# Altium PCB DDS_AD9854.PcbDoc
Units mil, origin at the board's own origin, x right, y up, seen from the top; angles counter-clockwise.
Board outline 2756 x 2362.28 mil, 2 copper layers (Top Layer, Bottom Layer); 108 components, 60 nets, 352 pads, 63 vias.
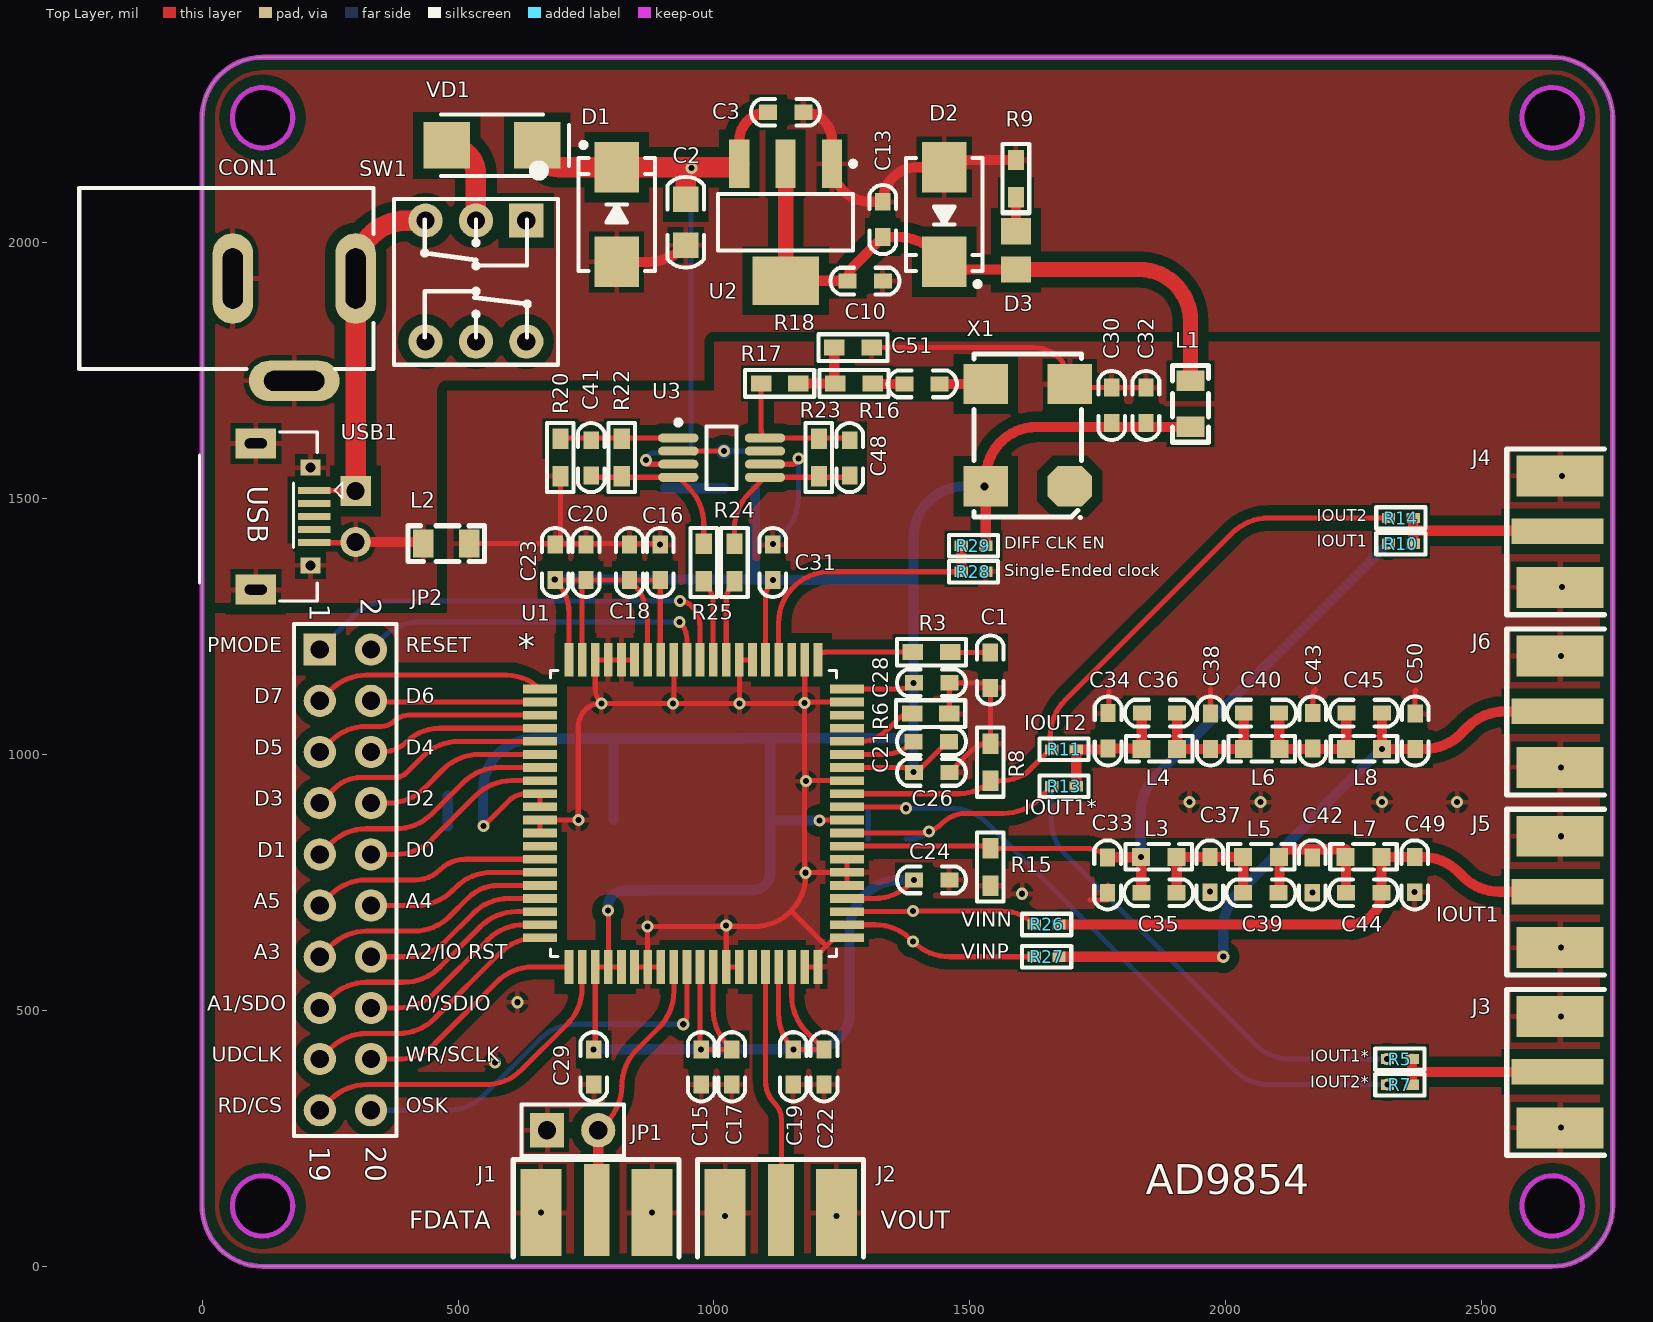
[diagram p0: Top Layer view]
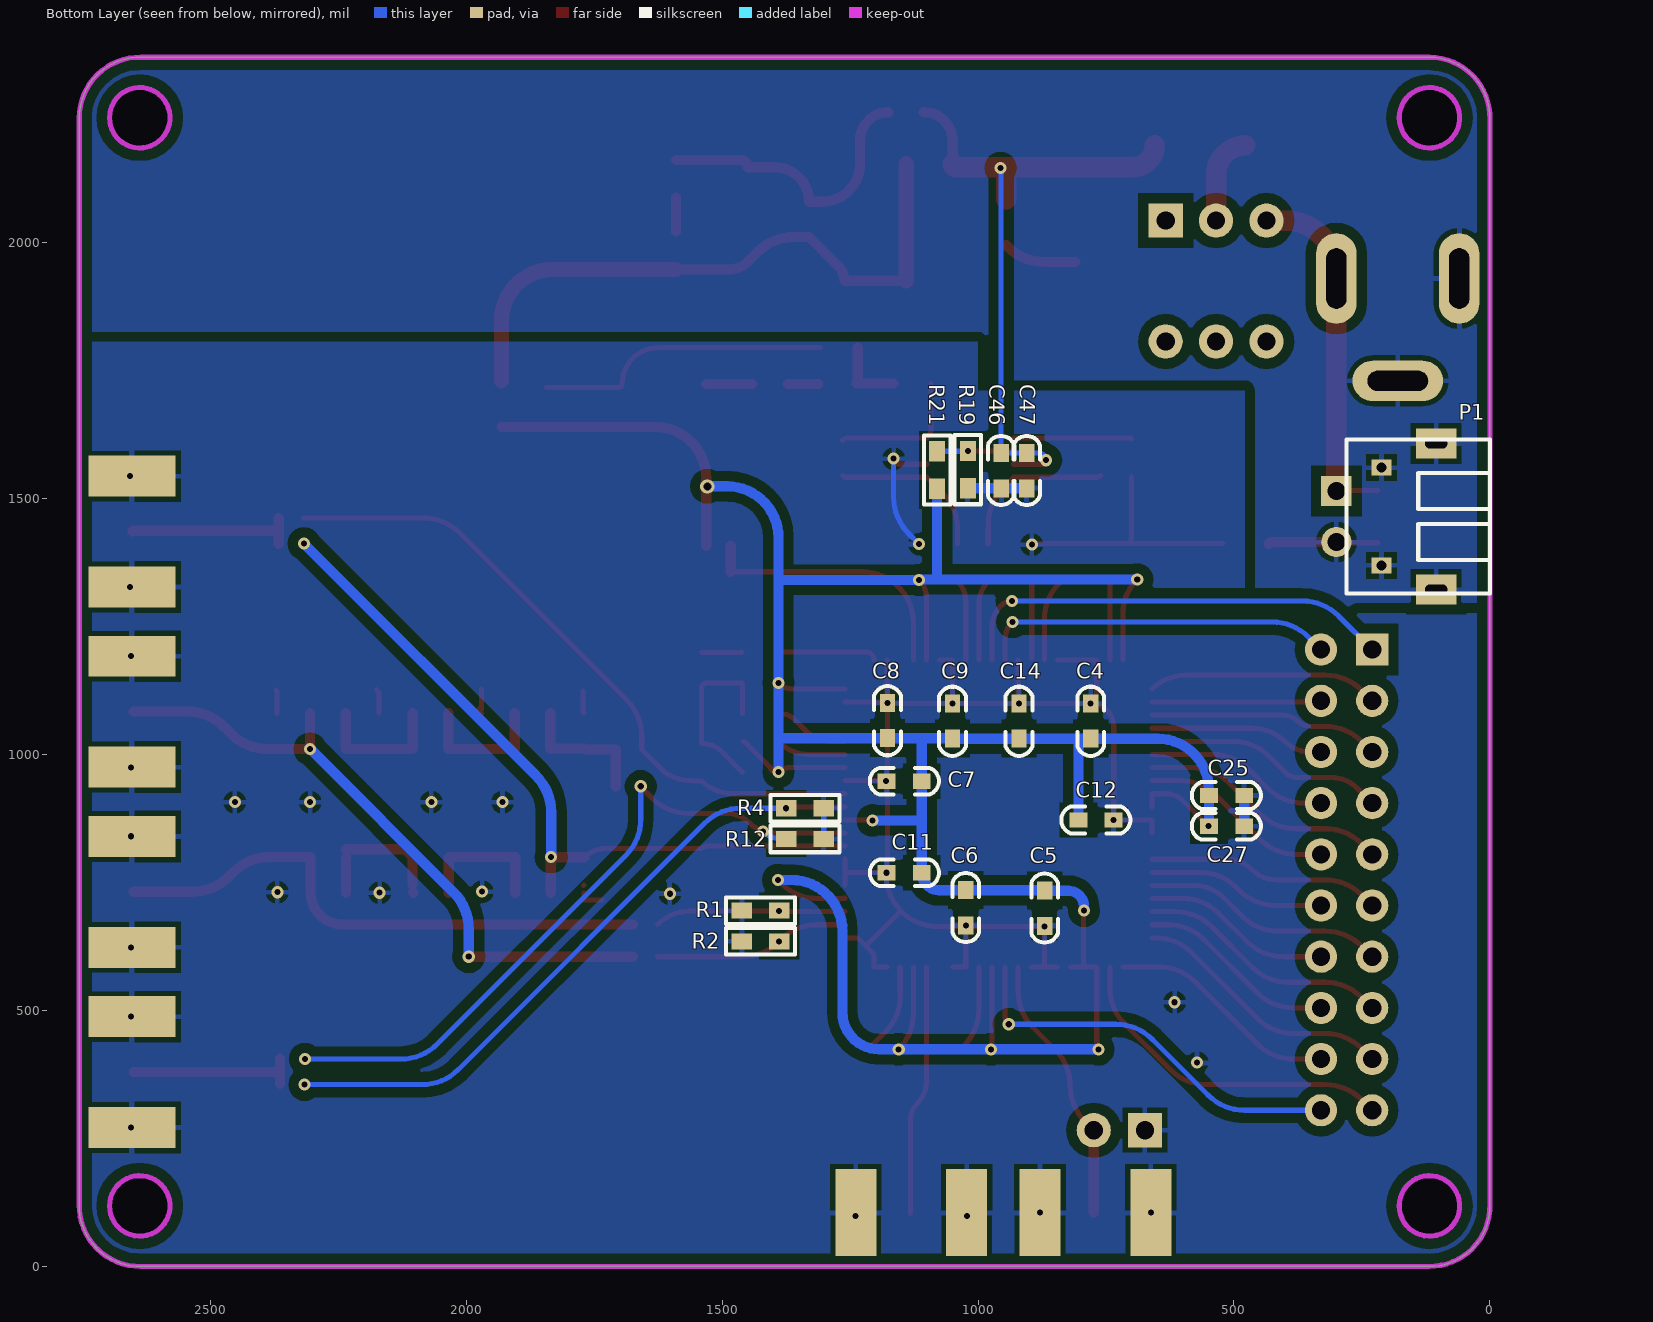
[diagram p1: Bottom Layer view, seen from below]

## Layer stack, top to bottom
Top Solder: solder mask 0.4, Solder Resist, Dk 3.5
Top Layer: signal copper 1.4
Dielectric 1: dielectric 12.6, FR-4, Dk 4.8
Bottom Layer: signal copper 1.4
Bottom Solder: solder mask 0.4, Solder Resist, Dk 3.5

## Board outline
0,121 0,2241 0.04,2241 cw(c118.11,2244.09) 118,2362.21 118,2362.2 2634.99,2362.2 2634.99,2362.27 cw(c2637.8,2244.09) 2756,2244.09 2755.91,2244.09 2755.91,120 2755.9,120 cw(c2637.8,118.11) 2636,0.01 2636,0 119,0 119,-0.02 cw(c118.11,118.11)
cut-out: 2578.74,118.11 ccw(c2637.8,118.11) 2637.8,59.06 ccw(c2637.8,118.11) 2696.85,118.11 ccw(c2637.8,118.11) 2637.8,177.17 ccw(c2637.8,118.11)
cut-out: 118.11,59.06 cw(c118.11,118.11) 59.06,118.11 cw(c118.11,118.11) 118.11,177.17 cw(c118.11,118.11) 177.17,118.11 cw(c118.11,118.11)
cut-out: 118.11,2185.04 cw(c118.11,2244.09) 59.06,2244.09 cw(c118.11,2244.09) 118.11,2303.15 cw(c118.11,2244.09) 177.17,2244.09 cw(c118.11,2244.09)
cut-out: 2578.74,2244.09 ccw(c2637.8,2244.09) 2637.8,2185.04 ccw(c2637.8,2244.09) 2696.85,2244.09 ccw(c2637.8,2244.09) 2637.8,2303.15 ccw(c2637.8,2244.09)

## Design rules (kind name [scope] priority, off if disabled: settings)
Clearance [All] p1: gap=6 ignorepadtopadclearanceinfootprint=FALSE except(0: Arc-Hole Track-Hole SMDPad-Hole THPad-Hole Via-Hole Fill-Hole Poly-Hole Region-Hole Text-Hole; 20: Arc-Poly Track-Poly SMDPad-Poly THPad-Poly Via-Poly Fill-Poly Poly-Poly)
ComponentClearance [All] p1: gap=0 collisioncheckmode=3 verticalgap=0 showdistances=FALSE
HoleSize [All] p1: absolutevalues=TRUE maxlimit=118.11 minlimit=1 maxpercent=80.000 minpercent=20.000
HoleToHoleClearance [All] p1: gap=0 allowstackedmicrovias=TRUE
MinimumSolderMaskSliver [All] p1: minsoldermaskwidth=0
PlaneConnect [All] p1: planeconnectstyle=Relief reliefexpansion=20 reliefentries=4 reliefconductorwidth=20 reliefairgap=10
PolygonConnect [All] p1: connectstyle=Relief reliefconductorwidth=10 reliefentries=4 polygonreliefangle="90 Angle" airgapwidth=10
RoutingVias [All] p1: holewidth=11.81 width=23.62 viastyle="Through Hole" minholewidth=11.81 minwidth=23.62 maxholewidth=28 maxwidth=50
SilkToSilkClearance [All] p1: silktosilkclearance=0
SilkToSolderMaskClearance [IsPad] p1: minsilkscreentomaskgap=0 clearancetoexposedcopper=TRUE
SolderMaskExpansion [All] p1: expansion=4
Width [All] p1: maxlimit=100 minlimit=1 preferedwidth=10
23 further rules are at their usual default settings.

## Components (designator, comment, footprint, x,y, rotation, side; value= is the part's Value field where it differs from the comment)
C1 "103" "C 0603" 1540,1165 r90 top
C2 "10uF" "C 0805" 945,2040 r90 top
C3 "104" "C 0603" 1140,2255 r180 top
C4 "10uF" "C 0603" 780,1065 r270 bottom
C5 "104" "C 0603" 870,700 r90 bottom
C6 "104" "C 0603" 1024,701 r90 bottom
C7 "104" "C 0603" 1144,948 r180 bottom
C8 "104" "C 0603" 1177,1066 r270 bottom
C9 "104" "C 0603" 1050,1065 r270 bottom
C10 "10uF" "C 0603" 1295,1925 r180 top
C11 "104" "C 0603" 1144,769 r180 bottom
C12 "104" "C 0603" 770,872 r0 bottom
C13 "104" "C 0603" 1330,2045 r270 top
C14 "104" "C 0603" 920,1065 r270 bottom
C15 "10uF" "C 0603" 975,390 r90 top
C16 "10uF" "C 0603" 895,1375 r270 top
C17 "104" "C 0603" 1035,390 r90 top
C18 "104" "C 0603" 835,1375 r270 top
C19 "104" "C 0603" 1155,390 r90 top
C20 "104" "C 0603" 750,1375 r270 top
C21 "103" "C 0603" 1425,1025 r0 top
C22 "104" "C 0603" 1215,390 r90 top
C23 "104" "C 0603" 690,1375 r270 top
C24 "104" "C 0603" 1425,755 r180 top
C25 "104" "C 0603" 515,920 r0 bottom
C26 "104" "C 0603" 1425,965 r180 top
C27 "104" "C 0603" 515,860 r0 bottom
C28 "104" "C 0603" 1425,1140 r180 top
C29 "104" "C 0603" 765,390 r90 top
C30 "104" "C 0603" 1777,1682 r270 top
C31 "104" "C 0603" 1115,1375 r270 top
C32 "1uF" "C 0603" 1844,1682 r270 top
C33 "27pF" "C 0603" 1769,764.96 r90 top
C34 "27pF" "C 0603" 1770,1046 r270 top
C35 "2.2pF" "C 0603" 1869,730 r180 top
C36 "2.2pF" "C 0603" 1870,1081 r180 top
C37 "47pF" "C 0603" 1969,765 r270 top
C38 "47pF" "C 0603" 1970,1046 r90 top
C39 "12pF" "C 0603" 2069,730 r0 top
C40 "12pF" "C 0603" 2070,1081 r0 top
C41 "8.2pF" "C 0603" 760,1580 r90 top
C42 "39pF" "C 0603" 2169,765 r90 top
C43 "39pF" "C 0603" 2170,1046 r270 top
C44 "8.2pF" "C 0603" 2269,730 r180 top
C45 "8.2pF" "C 0603" 2270,1081 r180 top
C46 "104" "C 0603" 955,1555 r90 bottom
C47 "10uF" "C 0603" 905,1555 r90 bottom
C48 "8.2pF" "C 0603" 1265,1580 r90 top
C49 "22pF" "C 0603" 2369,765 r270 top
C50 "22pF" "C 0603" 2370,1046 r90 top
C51 "104" "C 0603" 1407,1724 r0 top
CON1 "3.5*1.3" DC-005 335,1930 r180 top
D1 "TVS" SMB 810,2055 r90 top
D2 "TVS" SMB 1450,2055 r270 top
D3 "LED" LED_0805 1590,1985 r90 top
J1 "COAX" MCX5.08-5-H 771,110 r90 top
J2 "COAX" MCX5.08-5-H 1131,110 r90 top
J3 "COAX" MCX5.08-5-H 2648,380 r180 top
J4 "COAX" MCX5.08-5-H 2648,1436 r180 top
J5 "COAX" MCX5.08-5-H 2648,732.08 r180 top
J6 "COAX" MCX5.08-5-H 2648,1084.17 r180 top
JP1 "HDR-1X2" HDR-1X2 674,266 r0 top
JP2 "Header 2X10" HDR-10X2 230,1205 r270 top
L1 "100nH" "L 0805" 1931,1685 r90 top
L2 "100nH" "L 0805" 477,1412 r180 top
L3 "82nH" "L 0603" 1869,800 r0 top
L4 "82nH" "L 0603" 1870,1011 r0 top
L5 "68nH" "L 0603" 2069,800 r0 top
L6 "68nH" "L 0603" 2070,1011 r0 top
L7 "68nH" "L 0603" 2269,800 r0 top
L8 "68nH" "L 0603" 2270,1011 r0 top
P1 "Header 2" HDR2X1_B2 300,1515 r270 bottom
R1 "100" "R 0603" 1425,695 r0 bottom
R2 "100" "R 0603" 1425,635 r0 bottom
R3 "1.3K" "R 0603" 1425,1200 r180 top
R4 "50" "R 0603" 1338,895 r0 bottom
R5 "0" "R 0402" 2340,405 r180 top
R6 "3.99K" "R 0603" 1423.5,1080 r0 top
R7 "0" "R 0402" 2340,355 r180 top
R8 "50" "R 0603" 1540,985 r90 top
R9 "1K" "R 0603" 1590,2125 r90 top
R10 "0" "R 0402" 2342,1412 r0 top
R11 "0" "R 0402" 1684,1010 r180 top
R12 "50" "R 0603" 1338,835 r0 bottom
R13 "0" "R 0402" 1684,938 r180 top
R14 "0" "R 0402" 2342,1462 r0 top
R15 "50" "R 0603" 1540,780 r270 top
R16 "50" "R 0603" 1273.5,1725 r0 top
R17 "487" "R 0603" 1128.5,1725 r0 top
R18 "53.6" "R 0603" 1271.5,1795 r0 top
R19 "10K" "R 0603" 1020,1556.5 r270 bottom
R20 "523" "R 0603" 700,1580 r270 top
R21 "10K" "R 0603" 1080,1556 r90 bottom
R22 "499" "R 0603" 820,1580 r90 top
R23 "499" "R 0603" 1205,1580 r90 top
R24 "24.9" "R 0603" 1040,1375 r90 top
R25 "24.9" "R 0603" 980,1375 r90 top
R26 "0" "R 0402" 1650,668 r180 top
R27 "0" "R 0402" 1650,605 r0 top
R28 "0" "R 0402" 1507,1357 r180 top
R29 "0" "R 0402" 1507,1408 r180 top
SW1 "KET 8X8" "KFT DIP-8X8" 535,1925 r270 top
U1 "AD9854" LQFP-80_N 960,885 r0 top locked value=Value
U2 "AMS1117" SOT223_N 1140,2040 r270 top
U3 "THS4505" MSOP-MS8_M 1015,1580 r0 top
USB1 "USB-5P" USB-MICRO_B 105,1465 r270 top
VD1 "SS34" DIODE-SMA 566.42,2190 r0 top
X1 "XTAL" X-CPX75 1620,1616 r90 top

## Footprints (in the part's own frame and the unit in brackets; to place one, negate y for a bottom-side part, rotate by r counter-clockwise, add the part's x,y. Pads: shape width x height; smd on the part's side, far side on the other; paste and mask are expansions set on the pad)
"C 0603" [mil] "无极性贴片电容"
  rect 35x30 smd: 1(-35,0) 2(34,0)
  silkscreen extent -67,-26 67,26, body extent -31,-16 31,16, height 32
"C 0805" [mil] "无极性贴片电容"
  rect 50x50 smd: 1(-45,0) 2(45,0)
  silkscreen extent -89,-36 89,36, body extent -39,-24 39,24, height 20
DC-005 [mm] "DC母座5.5mm"
  oval 2x4.5 hole 1 slot 3 at 90 deg: 1(0.889,0) 2(6.985,0)
  oval 4.5x2 hole 1 slot 3 at 0 deg: 3(3.937,5.08)
  silkscreen extent 0,-4.5 14.6,4.5, body extent 0,-4.44 14.6,4.45, height 11
DIODE-SMA [mm] "贴片二极管"
  rect 2.3x2.3 smd: 1(-2.25,0) 2(2.25,0)
  silkscreen extent -2.54,-1.52 3.81,1.52, body extent -2.92,-1.4 2.92,1.4, height 3
HDR2X1_B2 [mm] "Connector; Header; 4 Position"
  rect 1.5x1.5 hole 0.9: 1(0,0)
  round 1.5 hole 0.9: 2(2.54,0)
  silkscreen extent -2.54,0.5 5.08,7.62, body extent -2.54,0.38 5.08,7.62, height 5.5
HDR-1X2 [mm] "排针，2脚"
  rect 1.7x1.7 hole 0.9: 1(0,0)
  round 1.7 hole 0.9: 2(2.54,0)
  silkscreen extent -1.27,-1.27 3.81,1.27, body extent -1.27,-1.27 3.81,1.27, height 8.5
HDR-10X2 [mm] "双排排针，10x2脚"
  rect 1.6x1.6 hole 0.9: 1(0,0)
  round 1.6 hole 0.9: 2(0,2.54) 3(2.54,0) 4(2.54,2.54) 5(5.08,0) 6(5.08,2.54) 7(7.62,0) 8(7.62,2.54) 9(10.16,0) 10(10.16,2.54) 11(12.7,0) 12(12.7,2.54) 13(15.24,0) 14(15.24,2.54) 15(17.78,0) 16(17.78,2.54) 17(20.32,0) 18(20.32,2.54) 19(22.86,0) 20(22.86,2.54)
  silkscreen extent -1.27,-1.27 24.13,3.81, body extent -1.27,-1.27 24.13,3.81, height 8.5
"KFT DIP-8X8" [mm] "自锁开关，规格：8*8mm"
  rect 1.7x1.7 hole 0.9: 1(-3,2.5)
  round 1.7 hole 0.9: 2(-3,0) 3(-3,-2.5) 4(3,2.5) 5(3,0) 6(3,-2.5)
  silkscreen extent -5.69,-4.06 4.15,4.06, body extent -3.95,-4.05 4.05,3.95, height 13.1
"L 0603" [mil] "小功率贴片电感"
  rect 35x35 smd: 1(-35,0) 2(35,0)
  silkscreen extent -65,-25 65,25, body extent -31,-16 31,16, height 31
"L 0805" [mil] "小功率贴片电感"
  rect 40x55 smd: 1(-45,0) 2(45,0)
  silkscreen extent -75,-35 75,35, body extent -39,-24 39,24, height 35
LED_0805 [mm] "贴片二极管"
  rect 1.3x1.5 smd: 1(-0.95,0) 2(0.95,0)
  silkscreen extent 1.91,-0.63 1.91,0.64
LQFP-80_N [mil]
  rect 66x17 smd mask+5: 1(-300,243.11) 2(-300,217.52) 3(-300,191.93) 4(-300,166.34) 5(-300,140.75) 6(-300,115.16) 7(-300,89.57) 8(-300,63.98) 9(-300,38.39) 10(-300,12.8) 11(-300,-12.8) 12(-300,-38.39) 13(-300,-63.98) 14(-300,-89.57) 15(-300,-115.16) 16(-300,-140.75) 17(-300,-166.34) 18(-300,-191.93) 19(-300,-217.52) 20(-300,-243.11) 41(300,-243.11) 42(300,-217.52) 43(300,-191.93) 44(300,-166.34) 45(300,-140.75) 46(300,-115.16) 47(300,-89.57) 48(300,-63.98) 49(300,-38.39) 50(300,-12.8) 51(300,12.8) 52(300,38.39) 53(300,63.98) 54(300,89.57) 55(300,115.16) 56(300,140.75) 57(300,166.34) 58(300,191.93) 59(300,217.52) 60(300,243.11)
  rect 17x66 smd mask+5: 21(-243.11,-300) 22(-217.52,-300) 23(-191.93,-300) 24(-166.34,-300) 25(-140.75,-300) 26(-115.16,-300) 27(-89.57,-300) 28(-63.98,-300) 29(-38.39,-300) 30(-12.8,-300) 31(12.8,-300) 32(38.39,-300) 33(63.98,-300) 34(89.57,-300) 35(115.16,-300) 36(140.75,-300) 37(166.34,-300) 38(191.93,-300) 39(217.52,-300) 40(243.11,-300) 61(243.11,300) 62(217.52,300) 63(191.93,300) 64(166.34,300) 65(140.75,300) 66(115.16,300) 67(89.57,300) 68(63.98,300) 69(38.39,300) 70(12.8,300) 71(-12.8,300) 72(-38.39,300) 73(-63.98,300) 74(-89.57,300) 75(-115.16,300) 76(-140.75,300) 77(-166.34,300) 78(-191.93,300) 79(-217.52,300) 80(-243.11,300)
  silkscreen extent -280,-280 280,280, body extent -277,-277 277,277, height 69
MCX5.08-5-H [mil]
  rect 180x50 smd: 1(0,0)
  rect 170x80 smd: 2(-5,109.25) 5(-5,-108.27)
  rect 170x80 smd far side: 3(-5,108.66) 4(-5,-107.87)
  silkscreen extent -92,-161 99,163, body extent -93,-132 80,134, height 39
MSOP-MS8_M [mm] "TSOP, 8-Leads, Body 3x3mm, Pitch 0.65mm, IPC Low Density"
  oval 2x0.45 smd: 1(-2.15,0.975) 2(-2.15,0.325) 3(-2.15,-0.325) 4(-2.15,-0.975) 5(2.15,-0.975) 6(2.15,-0.325) 7(2.15,0.325) 8(2.15,0.975)
  silkscreen extent -2.27,-1.55 0.75,1.87, body extent -1.6,-1.6 1.6,1.6, height 1.1
"R 0402" [mil] "1/16W贴片电阻"
  rect 26x20 smd: 1(-24,0) 2(24,0)
  silkscreen extent -48,-21 48,21, body extent -20,-10 20,10, height 12
"R 0603" [mil] "1/10W贴片电阻"
  rect 40x31.5 smd: 1(-36.5,0) 2(36.5,0)
  silkscreen extent -68,-26 68,26, body extent -31,-16 31,16, height 16
SMB [mm] "18*7.1mm(宽高)"
  rect 2.5x2.2 smd: 1(-2.35,0) 2(2.35,0)
  silkscreen extent -2.8,-1.9 3.57,1.9, body extent -2.63,-1.8 2.67,1.8, height 2.35
SOT223_N [mm] "SOT223, 4-Leads, Body 6.5x3.5mm, Pitch 2.3mm, Lead Span 7mm, IPC Medium Density"
  rect 2.4x1 smd: 1(-2.9,2.3) 2(-2.9,0) 3(-2.9,-2.3)
  rect 2.4x3.3 smd: 2(2.9,0)
  silkscreen extent -3.02,-3.35 1.4,3.48, body extent -1.85,-3.35 1.85,3.35, height 1.7
USB-MICRO_B [mm] "micro型USB ，5.7*7.8*2.5mm"
  rect 0.35x1.6 smd: 1(-1.3,2.9) 2(-0.65,2.9) 3(0,2.9) 4(0.65,2.9) 5(1.3,2.9)
  rect 1.5x2 hole 0.5 slot 1.1 at 90 deg: 5(-3.625,0) 5(3.625,0)
  rect 0.8x1 hole 0.5: 5(-2.425,2.71) 5(2.425,2.71)
  silkscreen extent -4.19,-2.79 4.19,4.3, body extent -4,-2.71 4,2.89, height 2.8
X-CPX75 [mm]
  oct 2x2.2 smd: 1(-2.331,-1.915)
  rect 2x2.2 smd: 2(2.741,-1.915) 3(2.741,2.261) 4(-2.331,2.261)
  silkscreen extent -3.88,-2.5 4.23,2.84, body extent -3.86,-2.49 4.24,2.84, height 1.75

## Part data
C1 C2 C3 C4 C5 C6 C7 C8 C9 C10 C11 C12 C13 C14 C15 C16 C17 C18 C19 C20 C21 C22 C23 C24 C25 C26 C27 C28 C29 C30 C31 C32 C33 C34 C35 C36 C37 C38 C39 C40 C41 C42 C43 C44 C45 C46 C47 C48 C49 C50 C51: library part C, "无极性贴片电容"
CON1: library part P-DC, "低压电源接口", BOM名称=DC电源接口, 学习资源=www.ooocke.com, 版权归属=源创客
D1 D2: "TVS保护", PackageDocument=Sep-1996, Code_JEDEC=DO-214-AB, LatestRevisionDate=17-Jul-2002, LatestRevisionNote="Re-released for DXP Platform.", PackageReference=SMC, Published=8-Jun-2000, Publisher="Altium Limited"
  D1: Type=SMBJ5.0A
  D2: Type=SMBJ3.3A
D3: "发光二极管", LatestRevisionDate=08-Jul-2005, LatestRevisionNote="Mech Layer 1 removed.", PackageReference=LED, Published=8-Jun-2000, Publisher="Altium Limited"
JP1: library part "Header 2", "2P接插件", BOM名称=2P接插件, 学习资源=www.ooocke.com, 版权归属=源创客
JP2: library part "Header 10X2", "10*2P接插件", BOM名称=10*2P接插件, 学习资源=www.ooocke.com, 版权归属=源创客
L1 L2 L3 L4 L5 L6 L7 L8: library part L, "小功率贴片电感"
P1: "接插件", LatestRevisionDate=17-Jul-2002, LatestRevisionNote="Re-released for DXP Platform.", Publisher="Altium Limited"
R1 R2 R3 R4 R5 R6 R7 R8 R9 R10 R11 R12 R13 R14 R15 R16 R17 R18 R19 R20 R21 R22 R23 R24 R25 R26 R27 R28 R29: library part R, "贴片电阻"
SW1: "8*8自锁开关"
U1: "DDS", Manufacturer_Part_Number=AD9854ASTZ, RefDes=RefDes, Type=DEV, Vendor=Vendor
U2: library part ASM1117, "线性稳压芯片"
U3: "WIDEBAND, LOW-DISTORTION,FULLY DIFFERENTIAL AMPLIFIERS"
USB1: "微型USB母座", BOM名称=微型USB母座, 学习资源=www.ooocke.com, 版权归属=源创客
VD1: "肖特基二极管"
X1: library part XTAL_Oscillator, "有源晶振", Frequency=30MHz

## Via types
v1: diameter 23.62, hole 11.81, Top Layer to Bottom Layer, tented both sides, 62 vias
v2: diameter 27.56, hole 15.75, Top Layer to Bottom Layer, tented both sides, 1 vias

## Nets (pads, with @x,y where several pads share a name; then routed paths per layer and width w, separated by ;. In a path a pad name is that pad's centre, name@x,y a point inside that pad or via, vN(x,y) a via of type N, cw(c..) or ccw(c..) an arc to the next point about the centre after c; other vN are vias at no path point)
3.3V: C10.2 C13.2 D2.2 D3.1 L1.2 U2.2 | length 1257.8
  Top Layer w20: U2.2@1140,1925.83 1259,1925.83 cw(c1259,1923) C10.2 cw(c1302.04,1925) 1273.02,1954.02 C13.2 1360.06,2011 cw(c1360.06,1911) 1430.77,1981.71 D2.2 ccw(c1485.93,1998.41) 1485.93,1947.6 D3.1
  Top Layer w30: U2.2@1140,1925.83 U2.2@1140,2154.17 ; D3.1 1831,1947.6 cw(c1831,1847.6) 1931,1847.6 L1.2
A0: JP2.16 U1.19 | length 388.7
  Top Layer w10: JP2.16 383.58,505 ccw(c383.58,605) 454.29,534.29 558.19,638.19 cw(c628.9,567.48) 628.9,667.48 U1.19
A1: JP2.15 U1.18 | length 495
  Top Layer w10: JP2.15 250.71,525.71 cw(c321.42,455) 321.42,555 393.58,555 ccw(c393.58,655) 464.29,584.29 543.78,663.78 cw(c614.49,593.07) 614.49,693.07 U1.18
A2: JP2.14 U1.17 | length 368.6
  Top Layer w10: JP2.14 403.58,605 ccw(c403.58,705) 474.29,634.29 530,690 cw(c599.19,620.81) 599.19,718.66 U1.17
A3: JP2.13 U1.16 | length 475.5
  Top Layer w10: JP2.13 250.71,625.71 cw(c321.42,555) 321.42,655 413.58,655 ccw(c413.58,755) 484.29,684.29 520,720 cw(c578.55,661.45) 578.55,744.25 U1.16
A4: JP2.12 U1.15 | length 348.3
  Top Layer w10: JP2.12 418.58,705 ccw(c418.58,805) 489.29,734.29 495.55,740.55 cw(c566.26,669.84) 566.26,769.84 U1.15
A5: JP2.11 U1.14 | length 457.2
  Top Layer w10: JP2.11 250.71,725.71 cw(c321.42,655) 321.42,755 416.72,755 ccw(c416.72,823.28) 465,775 cw(c514.33,725.67) 514.33,795.43 U1.14
AGND: C1.1 C4.1 C5.1 C6.1 C7.1 C8.1 C9.1 C11.1 C12.1 C14.1 C15.1 C16.1 C17.1 C18.1 C19.1 C20.1 C22.1 C23.1 C24.1 C25.1 C26.1 C27.1 C28.1 C29.1 C30.1 C31.1 C32.1 C33.1 C34.1 C37.2 C38.2 C42.1 C43.1 C46.1 C47.1 C49.2 C50.2 J1.2 J1.3 J1.4 J1.5 J2.2 J2.3 J2.4 J2.5 J3.2 J3.3 J3.4 J3.5 J4.2 J4.3 J4.4 J4.5 J5.2 J5.3 J5.4 J5.5 J6.2 J6.3 J6.4 J6.5 JP1.1 L2.1 R1.2 R2.2 R4.1 R6.2 R8.2 R12.1 R15.2 R18.2 R19.2 R20.2 R28.1 U1.11 U1.12 U1.26 U1.27 U1.28 U1.33 U1.34 U1.39 U1.40 U1.41 U1.45 U1.46 U1.47 U1.53 U1.59 U1.62 U1.66 U1.67 U1.72 U1.75 U1.76 U1.77 U1.78 U3.6 X1.2 | length 4820
  Top Layer w10: L2.1 706.09,1412 ; U1.12 U1.11 660.2,872 v1(735,872) 735,1055 cw(c780,1055) v1(780,1100) ; R20.2 700,1426.69 ccw(c720.78,1426.69) 706.09,1412 ; U1.26 U1.27 ; U1.75 U1.76 U1.77 U1.78 768.07,1128.8 ccw(c808.8,1128.8) v1(780,1100) ; v1(895,1410) ccw(c890.17,1405.17) 890.17,1412 706.09,1412 ; U1.28 U1.27 ; U1.72 921.61,1103.9 cw(c916.1,1103.9) v1(920,1100) ; U1.34 U1.33 v1@1023.98,663.95 ; U1.66 U1.67 1049.57,1101.05 ccw(c1051.05,1101.05) v1(1050,1100) ; U3.6 1154.2,1567.2 ccw(c1154.2,1578) v1(1165,1578) ; C31.1 v1(1115,1411) ; v1(1177,1101) 1177,773.88 ccw(c1181.03,773.88) 1181.03,769.84 U1.46 ; U1.39 U1.40 1203.11,609.5 1219.31,625.69 ; U1.62 1177.52,1106.08 cw(c1168.92,1106.08) v1@1175,1100 ; v1(1179,769) 1179,763.95 cw(c1079,763.95) 1151.75,695.35 ; v1(1180,948) cw(c1182.36,945.64) 1182.36,948.98 U1.53 ; U1.41 1235.5,641.89 1219.31,625.69 ; U1.45 U1.46 ; U1.47 U1.46 ; U1.59 1181.08,1102.52 ccw(c1181.08,1093.92) v1@1175,1100 ; R18.2 1624.31,1795 cw(c1624.31,1723.91) X1.2 ccw(c1702.31,1723.91) 1702.31,1717 C30.1 C32.1 ; C26.1 1499.88,1004.88 cw(c1540,964.77) R8.2 C1.1 ccw(c1530,1130) 1530,1140 C28.1 R6.2 ; 1735,716 1769.5,716 C33.1@1769.5,729.46 ; C33.1@1770,744.96 C33.1@1770.5,744.46 ; C34.1 ccw(c1765.17,1085.83) 1772,1085.83 1772,1124 ; C37.2 v1(1969,732) ; C38.2 ccw(c1960.34,1089.66) C38.2@1974,1089.66 ; C38.2@1970,1087.66 1970,1128 ; C43.1 2170,1114.93 cw(c2187.07,1114.93) 2175,1127 ; C50.2 2370,1123.59 cw(c2373.41,1123.59) 2371,1126 ; v1(780,1100) v1(920,1100) ; U1.27 870.43,663.95 v1@1023.98,663.95 ; v1(920,1100) v1(1050,1100) ; v1@1023.98,663.95 1079,663.95 ccw(c1079,763.95) 1151.75,695.35 ; v1(1050,1100) v1@1175,1100 ; 1151.75,695.35 ccw(c1156.82,695.35) 1153.24,691.76 1219.31,625.69
  Bottom Layer w10: v1(1115,1411) 1135.71,1431.71 ccw(c1065,1502.42) 1165,1502.42 v1(1165,1578) ; R12.1 R4.1
  Bottom Layer w20: C27.1 C25.1 ; C47.1 C46.1 R19.2
  other v1: 1021.75,98 1239.27,98 661.75,105 879.27,105 2655,271.34 572,398 2655,487.87 616,516 2655,622.83 870,664 1024,666 1602,728 2169,730 2369,731 2655,840.35 1929,907 2068,907 2305,907 2452,907 2655,974.92 2655,1192.44 2657,1327.59 2657,1544.13
AVDD: C4.2 C5.2 C6.2 C7.2 C8.2 C9.2 C11.2 C12.2 C14.2 C15.2 C16.2 C17.2 C18.2 C19.2 C20.2 C21.2 C22.2 C23.2 C24.2 C25.2 C26.2 C27.2 C28.2 C29.2 C30.2 C31.2 C32.2 L1.1 R21.1 R29.1 U1.9 U1.10 U1.23 U1.24 U1.25 U1.31 U1.32 U1.37 U1.38 U1.44 U1.50 U1.54 U1.60 U1.65 U1.73 U1.74 U1.79 U1.80 X1.4 | length 7711.5
  Top Layer w10: v1(550,860) 600,910 cw(c632.32,877.68) 632.32,923.39 U1.9 U1.10 ; U1.80 716.89,1276.08 ccw(c625.08,1276.08) C23.2 C20.2 C18.2 ; U1.79 C20.2@742.48,1335.01 ; v1(765,424) ccw(c757.59,431.41) 768.07,431.41 U1.23 U1.24 ; v1(793,695) 793.66,695 U1.24 ; U1.25 U1.24 ; U1.74 870.43,1264.15 ccw(c770.43,1264.15) 841.14,1334.86 C18.2 ; U1.73@895,1187.47 C16.2 C18.2 ; U1.31 972.8,429.32 ccw(c980.32,429.32) v1(975,424) C17.2 1027.68,431.32 cw(c1098.39,502.04) 998.39,502.04 U1.32 ; U1.65 1100.75,1306.59 cw(c1149.41,1306.59) v1(1115,1341) ; U1.37 1126.34,493.19 ccw(c1224.19,493.19) v1(1155,424) C22.2 1181.22,457.78 cw(c1251.93,528.49) 1151.93,528.49 U1.38 ; v1(1206.29,871.29) ccw(c1204.59,873) 1207,873 ccw(c1208.92,874.92) 1208.92,872.2 U1.50 ; U1.54 1367.9,974.57 cw(c1367.9,941.9) C26.2 ccw(c1391,984.31) 1404.66,970.66 1404.66,973.16 1456.5,1025 C21.2 ; U1.60 1362.3,1128.11 ccw(c1362.3,1168.7) C28.2 ; U1.44@1263.23,720 ccw(c1263.23,715.43) U1.44 1313.24,718.66 ccw(c1313.24,818.66) 1383.95,747.95 v1(1391,755)
  Top Layer w20: R29.1 X1.4 1531,1540 cw(c1631,1540) 1631,1640 L1.1
  Bottom Layer w10: v1@973,424 ccw(c973,425) 974,425 cw(c974,424) v1(975,424) ; 1110,874 ccw(c1116.54,880.54) 1116.54,871.29
  Bottom Layer w20: v1(550,860) cw(c550,861) 549,861 C25.2 549,931 cw(c649,931) 649,1031 C4.2 806,1031 ; v1(689,1342) 1079,1342 ; v1(765,424) v1@973,424 ; v1(793,695) 793,703 cw(c824,703) 824,734 C5.2 cw(c871,734) 871,735 C6.2 1076,735 ccw(c1076,769) C11.2 1110,874 C7.2 1110,1028 cw(c1114,1028) 1114,1032 ; C12.2 804,1029 cw(c806,1029) 806,1031 ; v1(975,424) v1(1155,424) 1193,424 ccw(c1193,496) 1265,496 1265,655 cw(c1365,655) 1365,755 v1(1391,755) ; R21.1 1080,1343 cw(c1079,1343) 1079,1342 ; 1116.54,871.29 v1(1206.29,871.29) ; v1@1391,966 v1(1390,966) 1390,1032 ; v2(1529,1524) 1490,1524 ccw(c1490,1424) 1390,1424 1390,1341 ; 806,1031 C14.2 C9.2 cw(c1051,1031) 1051,1032 1114,1032 ; 1079,1342 1114,1342 cw(c1114,1341) v1(1115,1341) 1390,1341 ; 1114,1032 C8.2 1390,1032 ; 1390,1032 v1(1390,1140) 1390,1341
CLK: R25.1 U1.69 | length 158.4
  Top Layer w10: R25.1 cw(c935.61,1294.11) 998.39,1294.11 U1.69
CLKB: R24.1 U1.68 | length 157.8
  Top Layer w10: U1.68 1023.98,1299.82 cw(c1078.68,1299.82) R24.1
D0: JP2.10 U1.8 | length 381
  Top Layer w10: JP2.10 378.58,805 ccw(c378.58,905) 449.29,834.29 534.69,919.69 cw(c605.4,848.98) 605.4,948.98 U1.8
D1: JP2.9 U1.7 | length 487.5
  Top Layer w10: JP2.9 251.72,826.72 cw(c320,758.43) 320,855 378.58,855 ccw(c378.58,955) 449.29,884.29 510.28,945.28 cw(c580.99,874.57) 580.99,974.57 U1.7
D2: JP2.8 U1.6 | length 360.8
  Top Layer w10: JP2.8 363.58,905 ccw(c363.58,1005) 434.29,934.29 470.87,970.87 cw(c541.58,900.16) 541.58,1000.16 U1.6
D3: JP2.7 U1.5 | length 471.1
  Top Layer w10: JP2.7 258.79,933.79 cw(c310,882.57) 310,955 375.86,955 ccw(c375.86,989.14) 400,965 431.46,996.46 cw(c502.17,925.75) 502.17,1025.75 U1.5
D4: JP2.6 U1.4 | length 342.4
  Top Layer w10: JP2.6 351.72,1005 ccw(c351.72,1073.28) 400,1025 cw(c463.59,961.41) 463.59,1051.34 U1.4
D5: JP2.5 U1.3 | length 452.3
  Top Layer w10: JP2.5 250.71,1025.71 cw(c321.42,955) 321.42,1055 350.86,1055 ccw(c350.86,1089.14) 375,1065 cw(c403.8,1036.2) 403.8,1076.93 U1.3
D6: JP2.4 U1.2 | length 330.7
  Top Layer w10: JP2.4 ccw(c335.99,1110.99) 335.99,1102.52 U1.2
D7: JP2.3 U1.1 | length 453.6
  Top Layer w10: JP2.3 250.71,1125.71 cw(c321.42,1055) 321.42,1155 595.08,1155 cw(c595.08,1063.19) U1.1
GND: C2.1 C3.1 C10.1 C13.1 CON1.2 CON1.3 D1.1 D2.1 L2.2 P1.2 R9.2 U2.1 USB1.5 | length 939
  Top Layer w10: USB1.5@219.17,1413.82 297.15,1413.82 ccw(c297.15,1417.85) P1.2
  Top Layer w20: P1.2 424.76,1415 cw(c424.76,1404.76) L2.2 ; D1.1 871.06,1962.48 ccw(c871.06,2062.48) 941.77,1991.77 C2.1 ; C3.1 cw(c1175,2199.45) 1230.55,2199.45 U2.1 ccw(c1304.72,2154.17) 1304.72,2080 C13.1 cw(c1397.52,2080) 1397.52,2147.52 D2.1 cw(c1463.98,2147.52) 1463.98,2161.5 R9.2
NetC1_2: C1.2 R3.1 | length 79.1
  Top Layer w10: R3.1 ccw(c1462.5,1200) 1462.5,1199 C1.2
NetC21_1: C21.1 U1.55 | length 136.6
  Top Layer w10: U1.55 1330.02,1000.16 ccw(c1330.02,1084.98) C21.1
NetC33_2: C33.2 C35.2 L3.1 R10.1 R15.1 U1.48 | length 1459.5
  Top Layer w10: U1.48 1529.08,821.02 cw(c1529.08,805.58) R15.1 1726.65,816.5 cw(c1726.65,756.6) C33.2
  Top Layer w20: C33.2 1769.52,799.48 1833.48,799.48 v1(1834,800) 1835,799 C35.2 ; v1(2317,1412) R10.1
  Bottom Layer w20: v1(1834,800) 1834,887.58 cw(c1934,887.58) 1863.29,958.29 v1(2317,1412)
NetC34_2: C34.2 C36.2 L4.1 R11.1 R13.1 | length 270.7
  Top Layer w20: R13.1 R11.1 1765.17,1010 ccw(c1765.17,1016.83) C34.2 1834,1012 cw(c1834,1011) L4.1 ccw(c1835,1012) 1836,1012 C36.2
NetC35_1: C35.1 C37.1 C39.1 L3.2 L5.1 | length 270
  Top Layer w20: C35.1 L3.2 C37.1 L5.1 C39.1
NetC36_1: C36.1 C38.1 C40.1 L4.2 L6.1 | length 270
  Top Layer w20: C36.1 L4.2 C38.1 L6.1 C40.1
NetC39_2: C39.2 C42.2 C44.2 L5.2 L7.1 | length 262
  Top Layer w20: C39.2 C39.2@2104,731 ; 2105,746 2105,800 2112.5,807.5 2120,815 2170,815 L7.1@2235,815 ; L7.1 2235,799 C44.2
NetC40_2: C40.2 C43.2 C45.2 L6.2 L8.1 | length 270.8
  Top Layer w20: C40.2 2104.5,1080.5 2104.5,1011.5 L6.2 L8.1 2235.5,1011.5 2235.5,1080.5 C45.2
NetC41_1: C41.1 R22.1 R25.2 U3.4 | length 317.6
  Top Layer w10: C41.1 ccw(c768.17,1553.17) 768.17,1541.61 U3.4 950.71,1521.26 cw(c880,1450.55) 980,1450.55 R25.2
NetC41_2: C41.2 R20.1 R22.2 U3.1 | length 230.9
  Top Layer w10: R20.1 cw(c704.55,1611.95) 704.55,1618.39 U3.1
NetC44_1: C44.1 C49.1 J5.1 L7.2 R26.1 | length 1100.9
  Top Layer w20: R26.1 2242,668 ccw(c2242,730) C44.1 L7.2 C49.1 2383.58,800 cw(c2383.58,700) 2454.29,770.71 2463.63,761.37 ccw(c2534.34,832.08) 2534.34,732.08 J5.1@2650,732.08
NetC45_1: C45.1 C50.1 J6.1 L8.2 R27.2 | length 1287.8
  Top Layer w20: R27.2 v1(1995,605) ; C45.1 v1(2305,1011) C50.1 2388.58,1011 ccw(c2388.58,1111) 2459.29,1040.29 2473.88,1054.88 cw(c2544.59,984.17) 2544.59,1084.17 J6.1@2650,1084.17
  Bottom Layer w20: v1(1995,605) 1995,659.58 cw(c2095,659.58) 2024.29,730.29 v1(2305,1011)
NetC48_1: C48.1 R23.1 R24.2 U3.5 | length 316.8
  Top Layer w10: R24.2 1040,1440.55 cw(c1140,1440.55) 1069.29,1511.26 U3.5 1256.83,1541.61 ccw(c1256.83,1553.17) C48.1
NetC48_2: C48.2 R17.1 R23.2 U3.8 | length 275.2
  Top Layer w10: R17.1 1092,1636.84 ccw(c1118.1,1636.84) U3.8 1254.41,1618.39 cw(c1254.41,1603.41) C48.2
NetC51_1: C51.1 R16.2 | length 62.3
  Top Layer w10: R16.2 ccw(c1312.41,1727.41) R16.2@1312.41,1724
  Top Layer w20: R16.2@1312.41,1724 C51.1
NetC51_2: C51.2 X1.3 | length 90.1
  Top Layer w20: C51.2 1531,1724 X1.3
NetD3_2: D3.2 R9.1 | length 66.1
  Top Layer w20: D3.2 R9.1
NetJ1_1: J1.1 JP1.2 U1.29 | length 530.6
  Top Layer w10: J1.1 ccw(c768.59,112.41) J1.1@772,112.41 ; JP1.2 791.31,283.31 ccw(c722.03,352.58) 820,352.58 cw(c920,352.58) 849.29,423.29 892.32,466.32 ccw(c821.61,537.04) 921.61,537.04 U1.29
  Top Layer w20: J1.1@774,105.41 JP1.2
NetJ2_1: J2.1 U1.36 | length 489.6
  Top Layer w10: U1.36 1100.75,362.06 ccw(c1163.06,362.06) 1119,318 cw(c1088.34,287.34) 1131.7,287.34 J2.1@1131.7,103.7
NetJ3_1: J3.1 R5.1 R7.1 | length 336.8
  Top Layer w20: R7.1@2364,356.34 2364,380 2364,381.34 ; R5.1@2364,406.34 R5.1 2364,381.34 ; J3.1@2650,380 2365.34,380 cw(c2365.34,381.34) 2364,381.34
NetJ4_1: J4.1 R10.2 R14.2 | length 336.4
  Top Layer w20: R10.2 2366,1437 ; R14.2 2366,1437 ; J4.1@2652,1436.25 ccw(c2651.25,1436.25) 2651.25,1437 2366,1437
NetR3_2: R3.2 U1.61 | length 194
  Top Layer w10: U1.61 cw(c1218.11,1185) 1218.11,1200 R3.2
NetR4_2: R4.2 R7.2 U1.51 | length 1278.8
  Top Layer w10: U1.51 1368.25,897.8 cw(c1368.25,888.25) v1(1375,895) v1@1375,900.57
  Top Layer w20: R7.2@2315,356 v1(2316,355)
  Bottom Layer w10: v1(1375,895) 1463.58,895 cw(c1463.58,795) 1534.29,865.71 2015.71,384.29 ccw(c2086.42,455) 2086.42,355 v1(2316,355)
NetR5_2: R5.2 R12.2 R13.2 U1.49 | length 1408.2
  Top Layer w10: U1.49 1400.61,846.61 ccw(c1400.61,909.39) 1445,865 cw(c1493.28,816.72) 1493.28,885 1565.58,885 ccw(c1565.58,985) 1636.29,914.29 R13.2 ; v1(2315,405) R5.2
  Bottom Layer w10: R12.2@1375,835 1383.79,835 ccw(c1383.79,886.21) v1(1420,850) ; v1(1659,938) 1659,873.42 ccw(c1759,873.42) 1688.29,802.71 2056.71,434.29 ccw(c2127.42,505) 2127.42,405 v1(2315,405)
NetR6_1: R6.1 U1.56 | length 144.9
  Top Layer w10: U1.56 1288.52,1025.75 ccw(c1288.52,1091.48) 1335,1045 1357.98,1067.98 cw(c1387,1038.96) R6.1
NetR8_1: R8.1 R11.2 R14.1 U1.52 | length 1304.5
  Top Layer w10: U1.52 1479.37,923.39 ccw(c1479.37,1009.13) R8.1 1557.08,948.5 ccw(c1557.08,1048.5) 1611.8,964.8 1657,1010 1657,1035.58 cw(c1757,1035.58) 1686.29,1106.29 2012.71,1432.71 cw(c2083.42,1362) 2083.42,1462 R14.1
NetR16_1: R16.1 R17.2 R18.1 | length 142.5
  Top Layer w20: R17.2 R16.1 cw(c1241.83,1729.83) 1235,1729.83 R18.1
NetR19_1: R19.1 R21.2 U3.2 | length 149.8
  Top Layer w10: U3.2 ccw(c931.15,1592.8) U3.2@931.15,1592 ; U3.2@933.15,1593 v1(1020,1593)
  Bottom Layer w10: v1(1020,1593) ccw(c1021.21,1594.21) 1021.21,1592.5 R21.2
  Bottom Layer w30: R19.1@1019,1592 cw(c1020,1592) v1(1020,1593)
NetR28_2: R28.2 R29.2 U1.64 | length 536.7
  Top Layer w10: U1.64 1126.34,1257 cw(c1226.34,1257) 1226.34,1357 R28.2
  Top Layer w20: R28.2 R29.2
OSK: JP2.20 U1.30 | length 784.9
  Top Layer w10: v1(940,473) ccw(c922.61,490.39) 947.2,490.39 U1.30
  Bottom Layer w10: JP2.20 479.58,305 ccw(c479.58,405) 550.29,334.29 659.71,443.71 cw(c730.42,373) 730.42,473 v1(940,473)
PMODE: JP2.1 U1.70 | length 873.4
  Top Layer w10: v1(934,1300) cw(c934,1271.03) 954.49,1291.51 956,1290 cw(c915.45,1249.45) 972.8,1249.45 U1.70
  Bottom Layer w10: JP2.1 295.71,1270.71 cw(c366.42,1200) 366.42,1300 v1(934,1300)
RD: JP2.19 U1.22 | length 663.9
  Top Layer w10: JP2.19 250.71,325.71 cw(c321.42,255) 321.42,355 553.58,355 ccw(c553.58,455) 624.29,384.29 713.19,473.19 ccw(c642.48,543.9) 742.48,543.9 U1.22
RESET: JP2.2 U1.71 | length 698.9
  Top Layer w10: v1(933,1259) cw(c898.71,1224.71) 947.2,1224.71 U1.71
  Bottom Layer w10: JP2.2 354.71,1229.71 cw(c425.42,1159) 425.42,1259 v1(933,1259)
UDCLK: JP2.17 U1.20 | length 515.2
  Top Layer w10: JP2.17 250.71,425.71 cw(c321.42,355) 321.42,455 383.58,455 ccw(c383.58,555) 454.29,484.29 582.6,612.6 cw(c653.31,541.89) 653.31,641.89 U1.20
VCC: C2.2 C3.2 C46.2 C47.2 D1.2 U2.3 U3.3 VD1.2 | length 1337.5
  Top Layer w10: v1(867,1575) 867,1574 ccw(c873.8,1574) 873.8,1567.2 U3.3
  Top Layer w20: U2.3 1049.45,2198.45 cw(c1106,2198.45) C3.2
  Top Layer w40: VD1.2 ccw(c697.48,2190) 697.48,2147.52 D1.2 945,2147.52 C2.2 ; v1@954,2147.52 1042.8,2147.52 ccw(c1042.8,2154.17) U2.3
  Bottom Layer w10: v1@865,1577 cw(c865,1575) v1(867,1575) cw(c881,1575) 881,1589 C47.2 C46.2 955,2146 ccw(c954,2146) 954,2147 955,2147 v1(956,2146)
VDD: SW1.2 VD1.1 | length 179.5
  Top Layer w40: VD1.1 cw(c477.84,2132.84) 535,2132.84 SW1.2
VIN: CON1.1 P1.1 SW1.3 USB1.1 | length 702.9
  Top Layer w10: USB1.1 297.15,1516.18 cw(c297.15,1512.15) P1.1
  Top Layer w40: P1.1 CON1.1 300,1943.11 cw(c400,1943.11) 400,2043.11 SW1.3
VINN: R1.1 R26.2 U1.43 | length 381.8
  Top Layer w10: U1.43 1386.57,693.07 cw(c1388.5,693.07) v1@1388.5,695 ; v1(1389.13,694.13) 1562.91,694.13 cw(c1562.91,604.91) R26.2
  Bottom Layer w10: v1(1389.13,694.13) R1.1@1395,700
VINP: R2.1 R27.1 U1.42 | length 383.3
  Top Layer w10: U1.42 1314.6,667.48 cw(c1314.6,567.48) 1385.31,638.19 v1(1388.5,635) 1389.21,634.29 ccw(c1459.92,705) 1459.92,605 R27.1
WR: JP2.18 U1.21 | length 452.8
  Top Layer w10: JP2.18 383.58,405 ccw(c383.58,505) 454.29,434.29 575.71,555.71 cw(c646.42,485) 646.42,585 U1.21
pads on no net: SW1.1 SW1.4 SW1.5 SW1.6 U1.13 U1.35 U1.57 U1.58 U1.63 U3.7 USB1.2 USB1.3 USB1.4 X1.1

## Polygon pours and split planes (outlines as drawn)
GND on Top Layer "Top Layer-No Net" (solid, remove dead copper, pour order 3): 0,0 2755.91,0 2755.91,2362.2 0,2362.2
AGND on Top Layer "Top Layer-AGND1" (solid, remove dead copper, pour order 2): 0,1264 0,1276 479,1276 479,1711 1001,1711 1001,1806 2756,1806 2756,0 0,0
GND on Bottom Layer "Top Layer-GND" (solid, remove dead copper, pour order 4): 0,0 2755.91,0 2755.91,2362.2 0,2362.2
AGND on Bottom Layer "Top Layer-AGND" (solid, remove dead copper, pour order 0): 0,1264 0,1276 479,1276 479,1711 1001,1711 1001,1806 2756,1806 2756,0 0,0

## Keep-outs
Keep-Out Layer:
  circle w10: c118.11,118.11 r59.06
  circle w10: c2637.8,118.11 r59.06
  circle w10: c2637.8,2244.09 r59.06
  circle w10: c118.11,2244.09 r59.06
  lines w10: 0,2241 0,121 ccw(c118.11,118.11) 119,-0.02 2636,0 ccw(c2637.8,118.11) 2755.9,120 2755.91,2244.09 ; 0.04,2241 cw(c118.11,2244.09) 118,2362.21 2634.99,2362.2 ; 2634.99,2362.27 cw(c2637.8,2244.09) 2756,2244.09

## Other copper
Top Layer:
  pour cut-out: 1733,1093

## Silkscreen, mask and mechanical layers (free items; w line width, h text height)
Top Overlay:
  text "IOUT2" at 2178,1448 h40
  text "IOUT1" at 2178,1398 h40
  text "DIFF CLK EN" at 1567,1394 h40
  text "Single-Ended clock" at 1567,1340 h40
  text "PMODE" at 10,1190 h50
  text "RESET" at 398,1190 h50
  text "D7" at 102,1090 h50
  text "D6" at 398,1090 h50
  text "IOUT2" at 1606,1038 h50
  text "D5" at 101.77,990 h50
  text "D4" at 398,990 h50
  text "D3" at 102,890 h50
  text "D2" at 398,890 h50
  text "IOUT1*" at 1606,873 h50
  text "D1" at 108.19,790 h50
  text "D0" at 398,790 h50
  text "A5" at 100.71,690 h50
  text "A4" at 398,690 h50
  text "IOUT1" at 2411,664 h50
  text "VINN" at 1483,654 h50
  text "VINP" at 1483,591 h50
  text "A3" at 100.94,590 h50
  text "A2/IO RST" at 398,590 h50
  text "A1/SDO" at 10,490 h50
  text "A0/SDIO" at 398,490 h50
  text "IOUT1*" at 2165,392 h40
  text "UDCLK" at 19,390 h50
  text "WR/SCLK" at 398,390 h50
  text "IOUT2*" at 2165,341 h40
  text "RD/CS" at 31,290 h50
  text "OSK" at 398,290 h50
  text "AD9854" at 1844,121 h100
  text "FDATA" at 405,62 h60
  text "VOUT" at 1326,62 h60
Top Solder:
  rectangle: 1499,67 2406,158

## Text inside footprints (layer, text, board x,y; h text height)
JP2: Top Overlay "2" at 310,1305 h40 r270; Top Overlay "1" at 210,1295 h40 r270; Top Overlay "20" at 320,235 h40 r270; Top Overlay "19" at 210,235 h40 r270
U1: Top Overlay "*" at 617,1185.91 h50; Mechanical 13 "*" at 617,1185.91 h50
USB1: Top Overlay "USB" at 89.17,1525 h40 r270